# Altium PCB MB1428.PcbDoc (part 6 of 7) (continued)
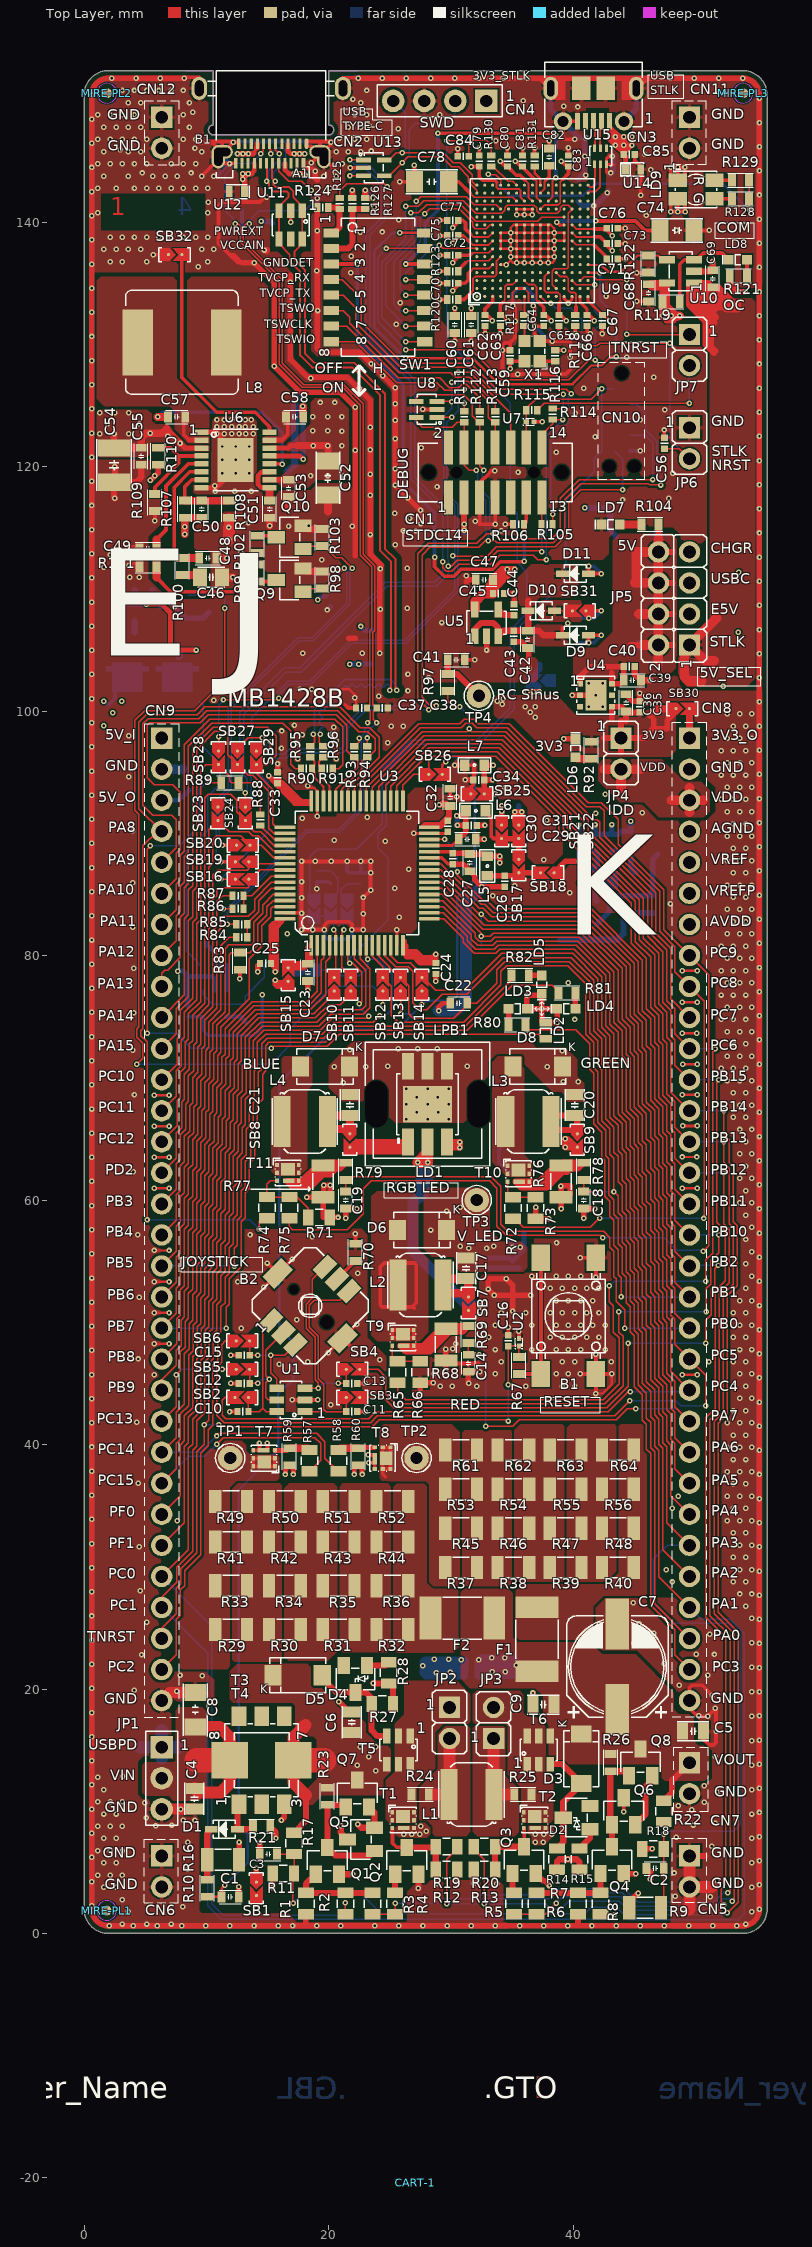
[diagram p0: Top Layer view]
## Nets (pads, with @x,y where several pads share a name; then routed paths per layer and width w, separated by ;. In a path a pad name is that pad's centre, name@x,y a point inside that pad or via, vN(x,y) a via of type N, cw(c..) or ccw(c..) an arc to the next point about the centre after c; other vN are vias at no path point) (continued)
  Signal Layer 2 w2: 23.3,13.9 v1(23.3,14.45) 23.3,16.912 23.852,17.464 ; 28.528,20.57 23.875,15.917 v1(23.875,15.275) v1(23.875,13.325) 23.852,13.348 23.852,16.402 ; 29.075,21.625 23.852,16.402 ; 29.35,21.05 29.375,21.05 v1@29.8,21.475 ; 29.625,21.95 28.338,21.95 25.181,18.794 23.852,17.464 ; 23.852,16.402 23.852,17.464
  Bottom Layer w0.5: v1@27.7,21.875 27.7,22.25 27.875,22.425 v1(28.65,22.425) 29.15,22.425 ; v1(30.875,22.4) v1@30.975,22.4 ; R132.1@31.15,21.025 30.325,21.025 ; R132.1@31.175,21.1 31.175,21.275 R132.1@31,21.45 ; R132.1@31.2,21.45 R132.1@31,21.45 ; v1(27.701,21.887) 27.913,21.675 ; v1(27.701,21.887) 27.814,22 29.575,22 ; v1(27.701,21.887) 27.701,21.274 27.95,21.025 30.325,21.025 ; 27.913,21.675 29.675,21.675 v1(29.975,21.375) ; 27.913,21.675 28.238,21.35 v1(28.825,21.35) 29.95,21.35 v1(29.975,21.375) ; 29.15,22.425 29.575,22 ; 29.15,22.425 v1(29.825,22.425) v1@29.85,22.425 ; 29.575,22 29.975,22 ; 29.575,22 v1@29.975,21.6 ; v1@29.85,22.425 30.225,22.425 ; v1@29.85,22.425 30.1,22.175 29.975,22.05 29.975,22 ; v1(29.975,21.375) 30.325,21.025 ; v1(29.975,21.375) v1@29.975,21.4 ; v1(29.975,21.375) v1@30,21.375 ; v1@29.975,21.4 v1@29.975,21.6 ; v1@29.975,21.4 30.075,21.5 v1@29.975,21.6 ; v1@29.975,21.6 29.975,22 ; 29.975,22 30.575,22 30.612,22.038 ; v1@30,21.375 30.637,22.013 ; v1@30,21.375 30.025,21.375 30.1,21.45 R132.1@31,21.45 ; 30.225,22.425 v1@31,22.425 ; 30.225,22.425 30.612,22.038 ; 30.612,22.038 v1@30.975,22.4 ; 30.612,22.038 30.637,22.013 ; 30.637,22.013 v1@31.025,22.4 ; 30.637,22.013 R132.1@31.025,21.625 ; v1@30.975,22.4 v1@31,22.425 ; v1@30.975,22.4 v1@31.025,22.4 ; R132.1@31,21.45 31.025,21.475 R132.1@31.025,21.625 ; v1@31,22.425 v1@31.025,22.4 ; R132.1@31.025,21.625 v1@31.025,22.4 ; R132.1@31.025,21.625 31.18,21.47 31.18,22.395 31.175,22.4 v1@31.025,22.4
  other v1: 22.575,15.275
V_LED: C17.2 C20.2 C21.2 C86.2 C87.2 D6.2 D7.2 D8.2 LD1.4 LD1.5 LD1.6 LD1.7 R133.2 TP3.1 | length 14.5
  Signal Layer 2 w1: 29.125,57.225 32.125,57.225 ; 32.125,56.325 32.125,57.225 ; 32.125,58.8 32.125,57.225 ; 33.75,57.225 32.125,57.225
  Bottom Layer w0.4: 32.8,54.45 35.625,54.45 ; C87.2@33.05,55.275 34.8,55.275 ; 35.05,55.025 36,55.975 36,57.35
  Bottom Layer w1: v1(35.05,56.15) v1@35.05,56.3
  other v1: 31.475,56.05 32.925,56.075 35.7,56.15 30.775,56.225 33.525,56.225 28.35,57.55 29.675,59.1 30.775,59.4 26.375,66.625 28.125,66.625 29.825,66.625 27.2,67.175 28.975,67.175 26.375,67.825 28.1,67.85 29.85,67.85 27.2,68.425 28.95,68.425 26.375,69.1 28.1,69.1 29.825,69.1 21.2,69.6 40.425,69.675 39.2,69.7 20.475,70.925 23.05,70.925 37.875,70.925 24.85,70.95 31.35,70.95 39.125,72.2 21.725,72.3 25.7,72.375 27.3,72.375 28.9,72.375
VBAT: C23.2 SB15.2 U3.1 | length 6.7
  Top Layer w0.25: C23.2@18.289,79.329 18.589,79.629 U3.1@18.589,80.854
  Top Layer w0.45: U3.1@18.502,80.854 18.289,80.641 C23.2@18.289,79.329 ; C23.2@18.289,79.329 17.96,79 SB15.2@16.7,79 17.05,79.35 18.268,79.35 C23.2@18.289,79.329
VC: C48.2 R100.2 U6.6 | length 10.3
  Top Layer w0.3: R100.2@7.8,112.525 7.375,112.95 7.375,118.294 8.656,119.575 U6.6@9.625,119.575
  Top Layer w0.65: R100.2@7.9,112.525 C48.2@9.425,112.525
VDD: C24.2 C25.2 C30.2 C32.2 C33.2 CN8.3 JP4.2 SB15.1 SB21.1 U3.16 U3.32 U3.48 U3.64 | length 63.5
  Top Layer w0.25: U3.16@26.089,80.854 26.089,80.154 26.414,79.829
  Top Layer w0.3: 15.475,82.6 15.879,83.004 U3.64@16.379,83.004 ; 16.15,82.775 U3.64@16.379,83.004 ; U3.64@16.439,83.004 U3.64@16.379,83.004 ; 17.714,92.654 U3.48@18.589,92.654 18.41,92.475 18.375,92.475 ; 26.3,80.825 26.271,80.854 ; U3.32@27.6,90.525 27.85,90.775 28.025,90.775 ; C30.2@29.739,91.031 C30.2@29.733,91.025 ; 26.271,80.854 26.271,81.196 26.089,81.014 U3.16@26.089,80.854 26.271,80.854 ; 28.025,90.775 29.1,90.775 29.35,91.025 ; 28.025,90.775 28.025,90.718 U3.32@28.239,90.504 29.212,90.504 C30.2@29.733,91.025 ; 29.35,91.025 29.75,91.425 ; 29.35,91.025 C30.2@29.733,91.025 ; C30.2@29.733,91.025 C30.2@29.75,91.025 ; C30.2@29.75,91.025 29.75,91.425 ; C30.2@29.75,91.025 29.95,91.225 C32.2@29.95,92.25 ; 29.75,91.425 29.75,92.05 C32.2@29.95,92.25 ; C32.2@29.95,92.25 29.675,92.525 29.275,92.525 v1(29.075,92.325) 29.15,92.25 C32.2@29.95,92.25
  Top Layer w0.45: v1(15.1,94.702) 15.451,94.351 ; 15.475,82.6 15.3,82.425 C25.2@15.3,79.35 ; 16.15,82.775 15.725,82.35 15.725,79.775 ; 17.714,92.654 17.689,92.654 16.243,94.1 16.175,94.1 ; 18.375,92.475 17.25,92.475 15.825,93.9 C33.2@15.825,94.1 ; 26.3,80.825 26.3,80.35 26.325,80.325 27.15,80.325 27.65,79.825 28.4,79.825 ; 26.414,79.908 26.985,79.908 27.489,79.404 C24.2@28.789,79.404 C24.2@28.789,79.436 ; SB21.1@34.164,90.679 v1(34.164,91.804) v1(34.164,92.279) ; C25.2@15.3,79.35 15.625,79.025 v1(15.625,78.675) 15.725,78.775 15.725,79.775 ; C25.2@15.3,79.35 15.725,79.775 ; 15.451,94.351 15.924,94.351 16.175,94.1 ; 15.451,94.351 15.702,94.1 C33.2@15.825,94.1 ; C33.2@15.825,94.1 16.175,94.1 ; 28.4,79.825 C24.2@28.789,79.436 ; 28.4,79.825 28.503,79.825 v1(28.789,80.111) C24.2@28.789,79.436 ; 15.625,77.675 15.825,77.475 16.525,77.475 16.7,77.65 SB15.1@16.7,77.9 16.575,77.775 15.85,77.775 v1(15.625,78) 15.625,77.675
  Top Layer w0.8: 42.575,95.25 JP4.2@43.93,95.25 ; 43.93,93.705 JP4.2@43.93,95.25 ; 45.525,95.25 JP4.2@43.93,95.25 ; 48.035,92.71 CN8.3@49.53,92.71 ; 49.53,91.755 CN8.3@49.53,92.71 ; 49.53,93.705 CN8.3@49.53,92.71 ; 50.66,92.71 CN8.3@49.53,92.71
  Signal Layer 2 w0.45: v1(34.164,91.804) v1(34.164,92.279)
  Signal Layer 2 w0.8: 42.325,95.25 JP4.2@43.93,95.25 ; 43.93,93.77 JP4.2@43.93,95.25 ; 43.93,96.22 JP4.2@43.93,95.25 ; 45.525,95.25 JP4.2@43.93,95.25 ; 47.885,92.71 CN8.3@49.53,92.71 ; 49.53,91.72 CN8.3@49.53,92.71 ; 49.53,93.705 CN8.3@49.53,92.71 ; 50.885,92.71 CN8.3@49.53,92.71
  Bottom Layer w0.45: v1(34.164,91.804) v1(34.164,92.279)
VIN: C4.2 C8.2 JP1.2 T3.8 T4.8 | length 13
  Top Layer w1: C4.2@9.025,11.875 9.375,11.525 11.175,11.525 11.925,12.275 T3.8@11.925,14.175 11.925,16.05 11.075,16.9 C8.2@9.1,16.9
  Top Layer w2: 9.2,14.175 T3.8@11.925,14.175
VOUT: C5.2 C7.1 C9.2 CN7.1 D3.2 F1.2 F2.2 Q8.3 R22.2 R26.2 R132.2 T6.4 | length 46.2
  Top Layer w0.5: R22.2@47.425,10.875 48.1,11.55 48.1,12.54 CN7.1@49.53,13.97
  Signal Layer 2 w1: v1(32.3,22.4) 32.46,22.56 v1(34.425,22.56) 34.933,22.56 35.352,22.14 v1(35.352,21.95) ; v1(32.3,22.4) v1@32.35,22.35 ; v1(32.3,22.4) 33.6,22.4 33.6,21.95 ; v1@32.35,22.35 32.75,21.95 ; v1@32.35,22.35 32.35,21.475 32.4,21.425 v1@33.275,21.425 ; 32.75,21.95 v1@33.275,21.425 ; 32.75,21.95 33.6,21.95 ; v1@33.275,21.425 v1(33.4,21.425) v1(34.45,21.425) 35.275,21.425 35.352,21.502 v1(35.352,21.95) ; v1@33.275,21.425 33.6,21.75 33.6,21.95 ; 33.6,21.95 v1(35.352,21.95)
  Bottom Layer w0.5: R132.2@32.2,21.05 32.202,21.048 R132.2@32.702,21.048 ; R132.2@32.2,21.15 32.2,22.3 v1(32.3,22.4) ; R132.2@32.225,21.15 32.225,21.275 R132.2@32.35,21.4 ; 32.85,21.05 33.025,21.05 ; 33.05,21.725 33.05,21.45 ; v1@35.35,21.975 35.35,22.3 35.025,22.625 32.525,22.625 v1(32.3,22.4) ; R132.2@32.3,21.45 R132.2@32.4,21.45 ; R132.2@32.3,21.45 R132.2@32.35,21.4 ; R132.2@32.3,21.45 v1(32.3,22.4) ; R132.2@32.3,21.45 32.837,21.988 ; v1(32.3,22.4) v1@32.425,22.4 ; R132.2@32.35,21.4 R132.2@32.4,21.45 ; R132.2@32.35,21.4 R132.2@32.702,21.048 ; R132.2@32.4,21.45 32.95,21.45 ; v1@32.425,22.4 32.625,22.2 ; v1@32.425,22.4 32.95,22.4 ; 32.625,22.2 32.837,21.988 ; 32.625,22.2 32.95,22.2 ; R132.2@32.702,21.048 33.023,21.048 33.025,21.05 ; R132.2@32.702,21.048 33.05,21.395 33.05,21.45 ; 32.837,21.988 32.95,22.1 ; 32.837,21.988 32.95,21.875 ; 32.95,21.45 33.05,21.45 ; 32.95,21.45 32.95,21.875 ; 32.95,21.875 32.95,22.1 ; 32.95,21.875 v1@33.375,21.45 ; 32.95,22.1 32.95,22.2 ; 32.95,22.1 33.05,22.2 ; 32.95,22.2 32.95,22.4 ; 32.95,22.2 33.05,22.2 ; 32.95,22.4 v1@33.25,22.4 ; 32.95,22.4 33.1,22.25 ; 33.025,21.05 v1(33.4,21.425) ; 33.025,21.05 35.2,21.05 ; 33.05,21.45 v1@33.375,21.45 ; 33.05,22.2 33.1,22.25 ; 33.05,22.2 33.15,22.2 ; 33.1,22.25 33.15,22.2 ; 33.1,22.25 v1@33.25,22.4 ; 33.15,22.2 33.4,21.95 v1@33.4,21.45 ; 33.15,22.2 33.6,22.2 ; v1@33.25,22.4 33.6,22.4 33.6,22.2 ; v1@33.375,21.45 v1(33.4,21.425) ; v1@33.375,21.45 v1@33.4,21.45 ; v1(33.4,21.425) v1@33.4,21.45 ; v1(33.4,21.425) v1@33.425,21.45 ; v1@33.4,21.45 v1@33.425,21.45 ; v1@33.425,21.45 v1@33.575,21.45 ; v1@33.425,21.45 33.6,21.625 33.6,22.2 ; v1@33.575,21.45 33.875,21.75 35.152,21.75 ; v1@33.575,21.45 34.852,21.45 35.152,21.75 ; 33.6,22.2 35.102,22.2 v1(35.352,21.95) ; 35.152,21.75 v1(35.352,21.95) ; 35.152,21.75 35.2,21.702 35.2,21.05 ; 35.2,21.05 35.352,21.202 v1(35.352,21.95)
  other v1: 33.35,22.575
VREF: C95.2 C96.2 CN8.5 Q11.2 R138.2 SB18.1 SB37.2 | length 10.8
  Top Layer w0.45: SB18.1@38.45,86.775 39.4,87.725 v1(40.45,87.725)
  Bottom Layer w0.45: v1(40.45,87.725) C96.2@40.45,88.525 C95.2@41.8,88.525 42,88.325 R138.2@42,87.35 R138.2@41.875,87.225 ; v1(40.575,85.95) 40.7,85.95 SB37.2@41.875,85.95 ; v1(41.25,87.1) 41.75,87.1 R138.2@41.875,87.225 ; Q11.2@41.925,84.45 41.875,84.5 SB37.2@41.875,85.95 ; SB37.2@41.875,85.95 R138.2@41.875,87.225
VREFP: C27.2 C28.1 CN8.6 L5.2 U3.28 | length 26
  Top Layer w0.3: U3.28@28.239,88.504 30.039,88.504 C28.1@30.164,88.379 C28.1@30.239,88.304
  Top Layer w0.45: C28.1@30.439,88.379 31.489,88.379 C27.2@31.564,88.304 32.814,88.304 L5.2@32.989,88.129 v1(34.014,88.129) v1(34.014,87.604)
  Signal Layer 2 w0.65: CN8.6@49.53,85.09 40.965,85.09 39.775,83.9 36.65,83.9 35.955,84.595 35.955,86.188 34.539,87.604 ; 34.539,87.604 v1(34.014,88.129) v1(34.014,87.604) 34.539,87.604
pads on no net: B2.NPTH1 B2.NPTH2 CART-1.1 CN1.0 CN1.1 CN1.2 CN1.9 CN2.A2 CN2.A3 CN2.A8 CN2.A10 CN2.A11 CN2.B2 CN2.B3 CN2.B8 CN2.B10 CN2.B11 CN3.4 CN10.1 CN10.7 CN10.8 CN10.9 CN10.11 CN10.12 CN10.13 D2.2 D4.2 LPB1.NPTH1 LPB1.NPTH2 MIRE-PL1.1 MIRE-PL2.1 MIRE-PL3.1 MIRE-PL4.1 MIRE-PL5.1 MIRE-PL6.1 T3.2 T3.4 T3.5 T3.6 T4.2 T4.4 T4.5 T4.6 U4.3 U4.5 U9.A1 U9.A2 U9.A3 U9.A4 U9.A5 U9.A6 U9.A8 U9.A9 U9.A10 U9.A11 U9.A12 U9.A13 U9.B1 U9.B2 U9.B3 U9.B4 U9.B5 U9.B6 U9.B7 U9.B8 U9.B9 U9.B10 U9.B11 U9.B12 U9.B13 U9.B14 U9.B15 U9.C2 U9.C3 U9.C4 U9.C11 U9.C12 U9.C13 U9.C14 U9.C15 U9.D1 U9.D2 U9.D3 U9.D4 U9.D10 U9.D11 U9.D13 U9.D14 U9.E1 U9.E2 U9.E3 U9.E4 U9.E12 U9.E13 U9.E14 U9.E15 U9.F1 U9.F4 U9.F14 U9.G4 U9.G14 U9.G15 U9.H1 U9.H2 U9.H3 U9.H4 U9.H14 U9.H15 U9.J2 U9.J3 U9.J4 U9.K1 U9.K2 U9.K3 U9.K12 U9.K14 U9.K15 U9.L1 U9.L3 U9.L12 U9.L13 U9.L14 U9.L15 U9.M2 U9.M3 U9.M4 U9.M5 U9.M6 U9.M7 U9.M12 U9.M13 U9.M14 U9.M15 U9.N2 U9.N4 U9.N5 U9.N6 U9.N7 U9.N11 U9.N13 U9.N14 U9.N15 U9.P2 U9.P4 U9.P5 U9.P6 U9.P7 U9.P8 U9.P9 U9.P10 U9.P11 U9.P12 U9.P13 U9.P14 U9.P15 U9.R2 U9.R3 U9.R6 U9.R7 U9.R8 U9.R9 U9.R10 U9.R11 U9.R12 U9.R13 U11.5 U15.4 U17.1 U17.2

## Polygon pours and split planes (outlines as drawn)
GND on Top Layer "GND_L01_P336" (solid, remove dead copper, pour order 336): 42.65,27.425 41.875,26.65 41.875,23.7 42.4,23.175 45.2,23.175 46.325,22.05 46.85,22.05 46.85,25.95 46.025,26.775 46.025,27.25 45.85,27.425
VOUT on Top Layer "VOUT_L01_P292" (solid, remove dead copper, pour order 292): 37 vertices, not listed, extent 30.8,12.475 51.1,28.2
GND on Top Layer "GND_L01_P262" (solid, remove dead copper, pour order 262): 35.7,104.425 36.875,104.425 37.125,104.175 37.125,102.575 36.9,102.35 33.45,102.35 28.15,102.35 27.65,102.85 27.65,112.125 28.05,112.525 31.225,112.525 31.6,112.15 31.6,105.6 31.95,105.25 34.875,105.25
GND on Top Layer "GND_L01_P120" (solid, remove dead copper, pour order 120): 20.739,99.304 21.264,98.779 21.264,94.454 20.364,93.554 16.539,93.554 15.689,94.404 15.689,98.279 16.714,99.304
5V_USB_STLK on Top Layer "5V_USB_STLK_L01_P090" (solid, remove dead copper, pour order 90): 51.187,107.587 49.85,106.25 49.7,106.275 48.65,106.275 48.625,106.25 48.625,102.725 49.35,102 54.2,102 54.9,102.7 54.9,133.5 54.625,133.775 51.538,133.775 51.188,133.425
GND on Top Layer "GND_L01_P022" (solid, remove dead copper, pour order 22): 39 vertices, not listed, extent 8.95,108.675 23.55,124.075
GND on Top Layer "GND_L01_P018" (solid, remove dead copper, pour order 18): 12.8,109.15 23.65,109.15 23.65,106.675 21.4,104.425 1.4,104.425 0.125,105.7 0.125,120.275 0.4,120.55 6.575,120.55 6.75,120.375 6.75,115.775 5.25,114.275 5.25,110.825 6.925,109.15
GND on Top Layer "GND_L01_P006" (solid, remove dead copper, pour order 6): 132 vertices, not listed, extent 0.075,0.05 55.85,152.275
5V_USBPD on Top Layer "5V_USBPD_L01_P016" (solid, remove dead copper, pour order 16): 10.225,121.275 5.65,121.275 5.125,120.75 1.325,120.75 1.05,121.025 1.05,124.55 1.175,124.675 5.175,124.675 5.525,124.325 5.525,123.775 5.85,123.45 6.85,123.45 8.525,121.775 10.225,121.775
SW2 on Top Layer "SW2_L01_P014" (solid, remove dead copper, pour order 14): 10.25,121.925 8.525,121.925 7.4,123.05 7.4,124.55 7,124.95 1.65,124.95 1.05,125.55 1.05,135.2 1.375,135.525 7.3,135.525 7.6,135.225 7.6,127.225 10.25,124.575
SW1 on Top Layer "SW1_L01_P012" (solid, remove dead copper, pour order 12): 14.6,121.925 16.3,121.925 17.325,122.95 17.325,125.75 15.05,128.025 15.05,134.725 14.225,135.55 8.775,135.55 8.425,135.2 8.425,127.375 10.975,124.825 14.1,124.825 14.575,124.35
V_IN on Top Layer "V_IN_L01_P342" (solid, remove dead copper, pour order 342): 35 vertices, not listed, extent 11.9,10.55 25.1,22.05
NetJP3_1 on Top Layer "NETJP3_1_L01_P340" (solid, remove dead copper, pour order 340): 35.55,11.825 35.55,8.275 35.25,7.975 32.15,7.975 31.8,8.325 31.8,16.8 31.975,16.975 34.325,16.975 34.475,16.825 34.475,12.9
NetJP3_2 on Top Layer "NETJP3_2_L01_P294" (solid, remove dead copper, pour order 294): 22 vertices, not listed, extent 31.8,9.05 38.375,19.85
GND on Top Layer "GND_L01_P274" (solid, remove dead copper, pour order 274): 20 vertices, not listed, extent 33,83.5 44.375,87.375
5V on Top Layer "5V_L01_P258" (solid, remove dead copper, pour order 258): 43.25,106.5 41.925,105.175 40.575,105.175 40.025,104.625 40.025,102.925 40.275,102.675 44.376,102.675 44.776,103.075 47.975,103.075 48.5,103.6 48.5,114.1 48.1,114.5 43.75,114.5 43.25,114
GND on Top Layer "GND_L01_P172" (solid, remove dead copper, pour order 172): 14.55,46.975 14.55,43.075 15.525,42.1 24.25,42.1 24.725,42.575 24.725,47.225 23.175,48.775 23.175,57.175 22.7,57.65 22.1,57.65 12.975,57.625 12.15,56.8 12.15,49.375
GND on Top Layer "GND_L01_P116" (solid, remove dead copper, pour order 116): 23 vertices, not listed, extent 17.464,81.829 32.15,96.1
3V3 on Top Layer "3V3_L01_P094" (solid, remove dead copper, pour order 94): 18 vertices, not listed, extent 33.5,96.25 48.425,101.3
NetC42_2 on Top Layer "NETC42_2_L01_P046" (solid, remove dead copper, pour order 46): 17 vertices, not listed, extent 35.385,105.305 40.425,112.025
NetD10_1 on Top Layer "NETD10_1_L01_P044" (solid, remove dead copper, pour order 44): 41.01,109.055 40.205,108.25 40.205,108.16 41.035,107.33 37.36,107.33 37.21,107.48 37.21,108.855 37.41,109.055
USBPD_VBUS on Top Layer "USBPD_VBUS_L01_P024" (solid, remove dead copper, pour order 24): 25 vertices, not listed, extent 14.6,118.325 21.65,125.6
GND on Top Layer "GND_L01_P332" (solid, remove dead copper, pour order 332): 25.6,8.825 25.5,8.725 25.5,8.05 25.725,7.825 28.05,7.825 28.325,8.1 28.325,8.65 27.925,9.05 27.45,9.05 27.225,8.825
GND on Top Layer "GND_L01_P334" (solid, remove dead copper, pour order 334): 36.375,8.825 36.3,8.75 36.3,8.225 36.625,7.9 36.625,7.4 36.825,7.2 37.65,7.2 38.475,8.025 38.475,8.65 38.3,8.825
NetF1_1 on Top Layer "NETF1_1_L01_P320" (solid, remove dead copper, pour order 320): 18 vertices, not listed, extent 35.3,24.025 46.025,41.65
GND on Top Layer "GND_L01_P272" (solid, remove dead copper, pour order 272): 33.875,95.35 33.75,95.225 33.75,93.05 34.025,92.775 35.625,92.775 36.3,92.1 36.3,88.05 36.825,87.525 38.4,87.525 39.175,88.3 39.175,90.9 34.725,95.35
V_LED on Top Layer "V_LED_L01_P160" (solid, remove dead copper, pour order 160): 17 vertices, not listed, extent 27.8,54.15 36.25,61
NetD6_1 on Top Layer "NETD6_1_L01_P164" (solid, remove dead copper, pour order 164): 27.45,48.45 28.175,49.175 28.175,55.2 27.35,56.025 27.35,60.25 26.875,60.725 23.925,60.725 23.5,60.3 23.5,48.925 23.975,48.45
VIN on Top Layer "VIN_L01_P304" (solid, remove dead copper, pour order 304): 7.725,18.5 7.5,18.275 7.5,14.175 7.325,14 4.975,14 4.75,13.775 4.775,13.75 4.775,11.525 5.05,11.25 6.925,11.25 7.3,10.875 9.425,10.875 10.05,11.5 10.05,18.1 9.65,18.5
NetD8_1 on Top Layer "NETD8_1_L01_P154" (solid, remove dead copper, pour order 154): 35.85,70.9 36,70.75 36,63.7 36.65,63.05 36.65,61.975 36.575,61.9 35.85,61.9 34.575,61.9 33.375,63.1 33.375,71.275 33.85,71.75 35.775,71.75 35.85,71.675
NetD7_1 on Top Layer "NETD7_1_L01_P158" (solid, remove dead copper, pour order 158): 17.85,71.75 18.475,71.75 18.675,71.55 18.675,69.375 18.25,68.95 18.25,62.575 17.65,61.975 15.675,61.975 15.3,62.35 15.3,63.725 15.3,69.025 16.025,69.75 16.175,69.9 16.175,71.55 16.375,71.75
NetJP2_1 on Top Layer "NETJP2_1_L01_P296" (solid, remove dead copper, pour order 296): 19 vertices, not listed, extent 24.675,9.05 31.6,20.675
NetR29_1 on Top Layer "NETR29_1_L01_P306" (solid, remove dead copper, pour order 306): 19 vertices, not listed, extent 7.825,21.625 15.95,40.35
NetR29_2 on Top Layer "NETR29_2_L01_P308" (solid, remove dead copper, pour order 308): 12.575,36.85 12.125,36.4 12.125,22.4 12.275,22.25 16.075,22.25 16.175,22.35 16.175,36.675 16,36.85
NetR30_2 on Top Layer "NETR30_2_L01_P312" (solid, remove dead copper, pour order 312): 16.775,36.825 16.375,36.425 16.375,22.65 16.725,22.3 19.95,22.3 20.7,23.05 20.7,36.55 20.425,36.825
NetR31_2 on Top Layer "NETR31_2_L01_P314" (solid, remove dead copper, pour order 314): 21.175,36.825 20.9,36.55 20.9,23.275 21.175,23 24.825,23 25.1,23.275 25.1,36.55 24.825,36.825
NetR37_1 on Top Layer "NETR37_1_L01_P316" (solid, remove dead copper, pour order 316): 24.175,41.35 24.5,41.675 30.075,41.675 30.75,41 30.75,28.675 30.5,28.425 28.575,28.425 28.25,28.75 28.25,36.7 27.95,37 24.4,37 24.175,37.225
NetF2_1 on Top Layer "NETF2_1_L01_P318" (solid, remove dead copper, pour order 318): 30.6,23.375 30.2,22.975 25.625,22.975 25.3,23.3 25.3,36.5 25.6,36.8 27.825,36.8 28.05,36.575 28.05,28.675 28.5,28.225 30.4,28.225 30.6,28.025
NetR38_2 on Top Layer "NETR38_2_L01_P322" (solid, remove dead copper, pour order 322): 35.7,41.65 35.2,41.15 35.2,28.95 35.375,28.775 39.125,28.775 39.275,28.925 39.275,41.5 39.125,41.65
NetR37_2 on Top Layer "NETR37_2_L01_P324" (solid, remove dead copper, pour order 324): 31.125,41.15 30.95,40.975 30.95,28.675 31.225,28.4 34.7,28.4 35,28.7 35,41.05 34.9,41.15
NetR39_2 on Top Layer "NETR39_2_L01_P326" (solid, remove dead copper, pour order 326): 39.775,41.65 39.475,41.35 39.475,29.075 39.775,28.775 42.7,28.775 43.55,29.625 43.55,41.5 43.4,41.65
NetJP2_2 on Top Layer "NETJP2_2_L01_P338" (solid, remove dead copper, pour order 338): 27.475,12 27.4,11.925 27.4,9.35 27.5,9.25 28.05,9.25 28.525,8.775 28.525,8.175 28.725,7.975 31.25,7.975 31.6,8.325 31.6,16.8 31.425,16.975 29.55,16.975 28.925,16.35 28.925,13.45
VDD on Top Layer "VDD_L01_P128" (solid, remove dead copper, pour order 128): 42.475,96.075 42.075,95.675 42.075,94.31 43.806,92.55 45.8,92.55 47.025,91.325 50.7,91.325 51.2,91.825 51.2,93.525 50.5,94.225 49.1,94.225 47.225,96.1 44.925,96.1 44.9,96.075
V_LED on Top Layer "V_LED_L01_P156" (solid, remove dead copper, pour order 156): 32 vertices, not listed, extent 20.024,66.325 40.9,72.975
GND on Top Layer "GND_L01_P174" (solid, remove dead copper, pour order 174): 18 vertices, not listed, extent 26.85,43.625 43.8,57.3
GND on Signal Layer 2 "GND_L03_P280" (solid, remove dead copper, pour order 280): 21 vertices, not listed, extent 21.225,118.927 33.849,152.275
3V3_STLK on Signal Layer 2 "3V3_STLK_L03_P266" (solid, remove dead copper, pour order 266): 17 vertices, not listed, extent 33.5,111.375 43.75,127.035
GND on Signal Layer 2 "GND_L03_P264" (solid, remove dead copper, pour order 264): 47.075,125.65 48.425,124.3 48.425,118.625 47.425,117.625 44.7,117.625 42.725,119.6 42.725,124.9 43.475,125.65
5V_USB_CHGR on Signal Layer 2 "5V_USB_CHGR_L03_P260" (solid, remove dead copper, pour order 260): 25 vertices, not listed, extent 40.145,110.975 55,151.15
3V3_STLK on Signal Layer 2 "3V3_STLK_L03_P030" (solid, remove dead copper, pour order 30): 23 vertices, not listed, extent 28.525,125.85 49.625,151.5
GND on Signal Layer 2 "GND_L03_P068" (solid, remove dead copper, pour order 68): 20 vertices, not listed, extent 11.61,111.1 36.4,120.875
GND on Signal Layer 2 "GND_L03_P008" (solid, remove dead copper, pour order 8): 21 vertices, not listed, extent 0,117.5 23.805,152.325
USBPD_VBUS on Signal Layer 2 "USBPD_VBUS_L03_P066" (solid, remove dead copper, pour order 66): 21 vertices, not listed, extent 5.05,115.73 22.46,138.45
AGND on Signal Layer 2 "AGND_L03_P328" (solid, remove dead copper, pour order 328): 12.65,9.675 11.95,8.975 11.95,3.75 12.425,3.275 15.475,3.275 16.975,4.775 16.975,6.3 16.975,8 16.525,8.45 16.525,9.35 16.2,9.675
5V_USBPD on Signal Layer 2 "5V_USBPD_L03_P060" (solid, remove dead copper, pour order 60): 37 vertices, not listed, extent 1.05,107.35 51.175,124.9
GND on Signal Layer 2 "GND_L03_P070" (solid, remove dead copper, pour order 70): 7.85,108.375 8.225,108 8.225,106.75 4.05,102.575 4.05,91.625 5.203,90.472 5.203,89.825 0.375,89.825 0.112,90.088 0.112,107.712 0.1,107.725 0.1,113.55 0.175,113.625 2.6,113.625 5.95,110.275
5V_VIN on Signal Layer 2 "5V_VIN_L03_P064" (solid, remove dead copper, pour order 64): 23 vertices, not listed, extent 4.325,95.8 51.1,108.675
5V_OUT on Signal Layer 2 "5V_OUT_L03_P082" (solid, remove dead copper, pour order 82): 21 vertices, not listed, extent 4.4,90.925 37.525,104.375
3V3 on Signal Layer 2 "3V3_L03_P096" (solid, remove dead copper, pour order 96): 33.825,101.25 33.525,100.95 33.525,100.65 33.875,100.3 35.4,100.3 38.8,96.9 49.8,96.9 50.325,97.425 50.325,100.525 49.6,101.25
GND on Signal Layer 2 "GND_L03_P114" (solid, remove dead copper, pour order 114): 79 vertices, not listed, extent 0.075,0.073 55.88,113.65
AGND on Signal Layer 2 "AGND_L03_P118" (solid, remove dead copper, pour order 118): 22 vertices, not listed, extent 31.75,85.4 51.15,95.9
VDD on Signal Layer 2 "VDD_L03_P122" (solid, remove dead copper, pour order 122): 52 vertices, not listed, extent 14.325,77.675 51.3,100.1
AVDD on Signal Layer 2 "AVDD_L03_P134" (solid, remove dead copper, pour order 134): 30.55,91.675 31.125,91.1 31.125,84.75 31.675,84.2 43.725,84.2 50.5,84.2 51.375,83.325 51.375,80.975 50.8,80.4 30.3,80.4 29.625,81.075 29.625,91.5 29.8,91.675
V_LED on Signal Layer 2 "V_LED_L03_P150" (solid, remove dead copper, pour order 150): 27.875,55.45 35.4,55.45 43.525,63.575 43.525,72.225 43.15,72.6 21.575,72.6 19.525,70.55 19.525,63.8
GND on Signal Layer 2 "GND_L03_P180" (solid, remove dead copper, pour order 180): 34.058,53.458 44.575,63.975 51.4,63.975 55.825,59.55 55.825,44.75 55.65,44.575 34.036,44.575
VREF on Signal Layer 2 "VREF_L03_P256" (solid, remove dead copper, pour order 256): 46.825,88.375 46.45,88 40.25,88 40.025,87.775 40.025,85.925 40.425,85.525 51.175,85.525 51.475,85.825 51.475,88.025 51.125,88.375
GND on Signal Layer 2 "GND_L03_P276" (solid, remove dead copper, pour order 276): 34 vertices, not listed, extent 29,84.3 39.875,96.875
GND on Signal Layer 2 "GND_L03_P278" (solid, remove dead copper, pour order 278): 38.15,91.95 37.6,91.4 37.6,90.975 37.75,90.825 38,90.825 38.55,91.375 45.75,91.375 45.925,91.55 45.925,91.8 45.775,91.95
GND on Signal Layer 2 "GND_L03_P330" (solid, remove dead copper, pour order 330): 12.75,2.95 12.75,0.1 12.775,0.075 14.375,0.075 14.375,2.95
V_LED on Bottom Layer "V_LED_L04_P152" (solid, remove dead copper, pour order 152): 19 vertices, not listed, extent 25.025,54.25 36.2,70.025
5V on Bottom Layer "5V_L04_P136" (solid, remove dead copper, pour order 136): 34 vertices, not listed, extent 33.775,61.7 48.4,116.9
3V3 on Bottom Layer "3V3_L04_P098" (solid, remove dead copper, pour order 98): 31.925,114.9 31.925,112.915 32.575,112.232 32.575,105.375 34.6,103.35 34.6,100.45 34.4,100.25 33.65,100.25 30.65,103.25 30.65,105.375 30.65,115.525 30.784,115.659 31.166,115.659
USBPD_VBUS on Bottom Layer "USBPD_VBUS_L04_P054" (solid, remove dead copper, pour order 54): 23 vertices, not listed, extent 5.75,99.95 22.875,125.55
GND on Bottom Layer "GND_L04_P010" (solid, remove dead copper, pour order 10): 48 vertices, not listed, extent 0.075,103.2 55.88,152.3
NetC102_2 on Bottom Layer "NETC102_2_L04_P286" (solid, remove dead copper, pour order 286): 8.175,104.3 7.975,104.1 1.325,104.1 1.125,104.3 1.125,106.45 1.45,106.775 7.175,106.775 8.175,105.775
3V3 on Bottom Layer "3V3_L04_P138" (solid, remove dead copper, pour order 138): 35.45,100.321 35.779,100.65 37.192,100.65 37.525,100.321 37.525,99.7 36.025,98.2 36.025,91.6 35.825,91.4 34.775,91.4 34.525,91.65 34.525,99.1 35.45,100.025
GND on Bottom Layer "GND_L04_P284" (solid, remove dead copper, pour order 284): 69 vertices, not listed, extent 0.325,0.2 55.762,135.612
USB_PD_VBUS on Bottom Layer "USB_PD_VBUS_L04_P290" (solid, remove dead copper, pour order 290): 1.125,97.45 1.125,14.55 2.1,13.575 7.8,13.575 8.375,14.15 8.375,17.425 7.8,18 4.625,18 3.35,19.275 3.35,98.3 5.525,100.475 5.525,103.575 5.2,103.9 1.3,103.9 1.125,103.725
GND on Signal Layer 1 "GND_L02_P004" (solid, remove dead copper, pour order 4): 10.525,152.4 10.5,152.425 0.85,152.425 -0.025,151.55 -0.025,1 0.95,0.025 54.825,0.025 55.88,1.08 55.88,151.295 54.775,152.4

## Other copper
Top Layer:
  pour cut-out: 41.025,143.275 41.45,143.7 42.25,143.7 42.475,143.475 42.475,142.45 41.519,141.494 40.469,141.494 40.349,141.614 40.349,143.044 40.58,143.275
  pour cut-out: 29.196,140.419 29.196,131.959 30.164,130.991 34.589,130.991 34.63,131.032 34.63,132.525 31.48,132.525 30.505,133.5 30.53,133.525 30.53,143.575 31.73,144.775 38.805,144.775 39.096,145.066 39.096,145.959 37.356,145.959 37.34,145.975 32.255,145.975 31.33,145.05 28.426,145.05 27.705,144.329 27.705,141.325 28.605,140.425 28.705,140.425
  pour cut-out: 33.43,141.725 33.43,135.225 39.93,135.225 39.93,141.725
  pour cut-out: 14.15,49.9 13.3,49.05 13.3,48.2 14.275,47.225 15.2,47.225 15.575,47.6 15.575,49.45 15.125,49.9
  pour cut-out: 15.45,42.7 21.675,42.7 22.15,42.225 22.15,41.55 15.775,41.55 15.45,41.875
  text "1" at 2.145,140.09 h2.5
Signal Layer 1:
  text "2" at 3.895,140.09 h2.5